# Altium PCB Gesturelink V1.PcbDoc (part 9 of 9)
Units mil, origin at the board's own origin, x right, y up, seen from the top; angles counter-clockwise.
Board outline 1574.8 x 1377.95 mil, 12 copper layers (SIG_1, GND_1, HI_SPEED_SIG_1, HI_SPEED_SIG_2, GND_2, PWR_1, PWR_2, GND_3, SIG_2, SIG_3, GND, SIG_4), stack 76.312 mil thick; 506 components, 440 nets, 2250 pads, 1330 vias.
Unrouted connection lines stored in the file: 20.
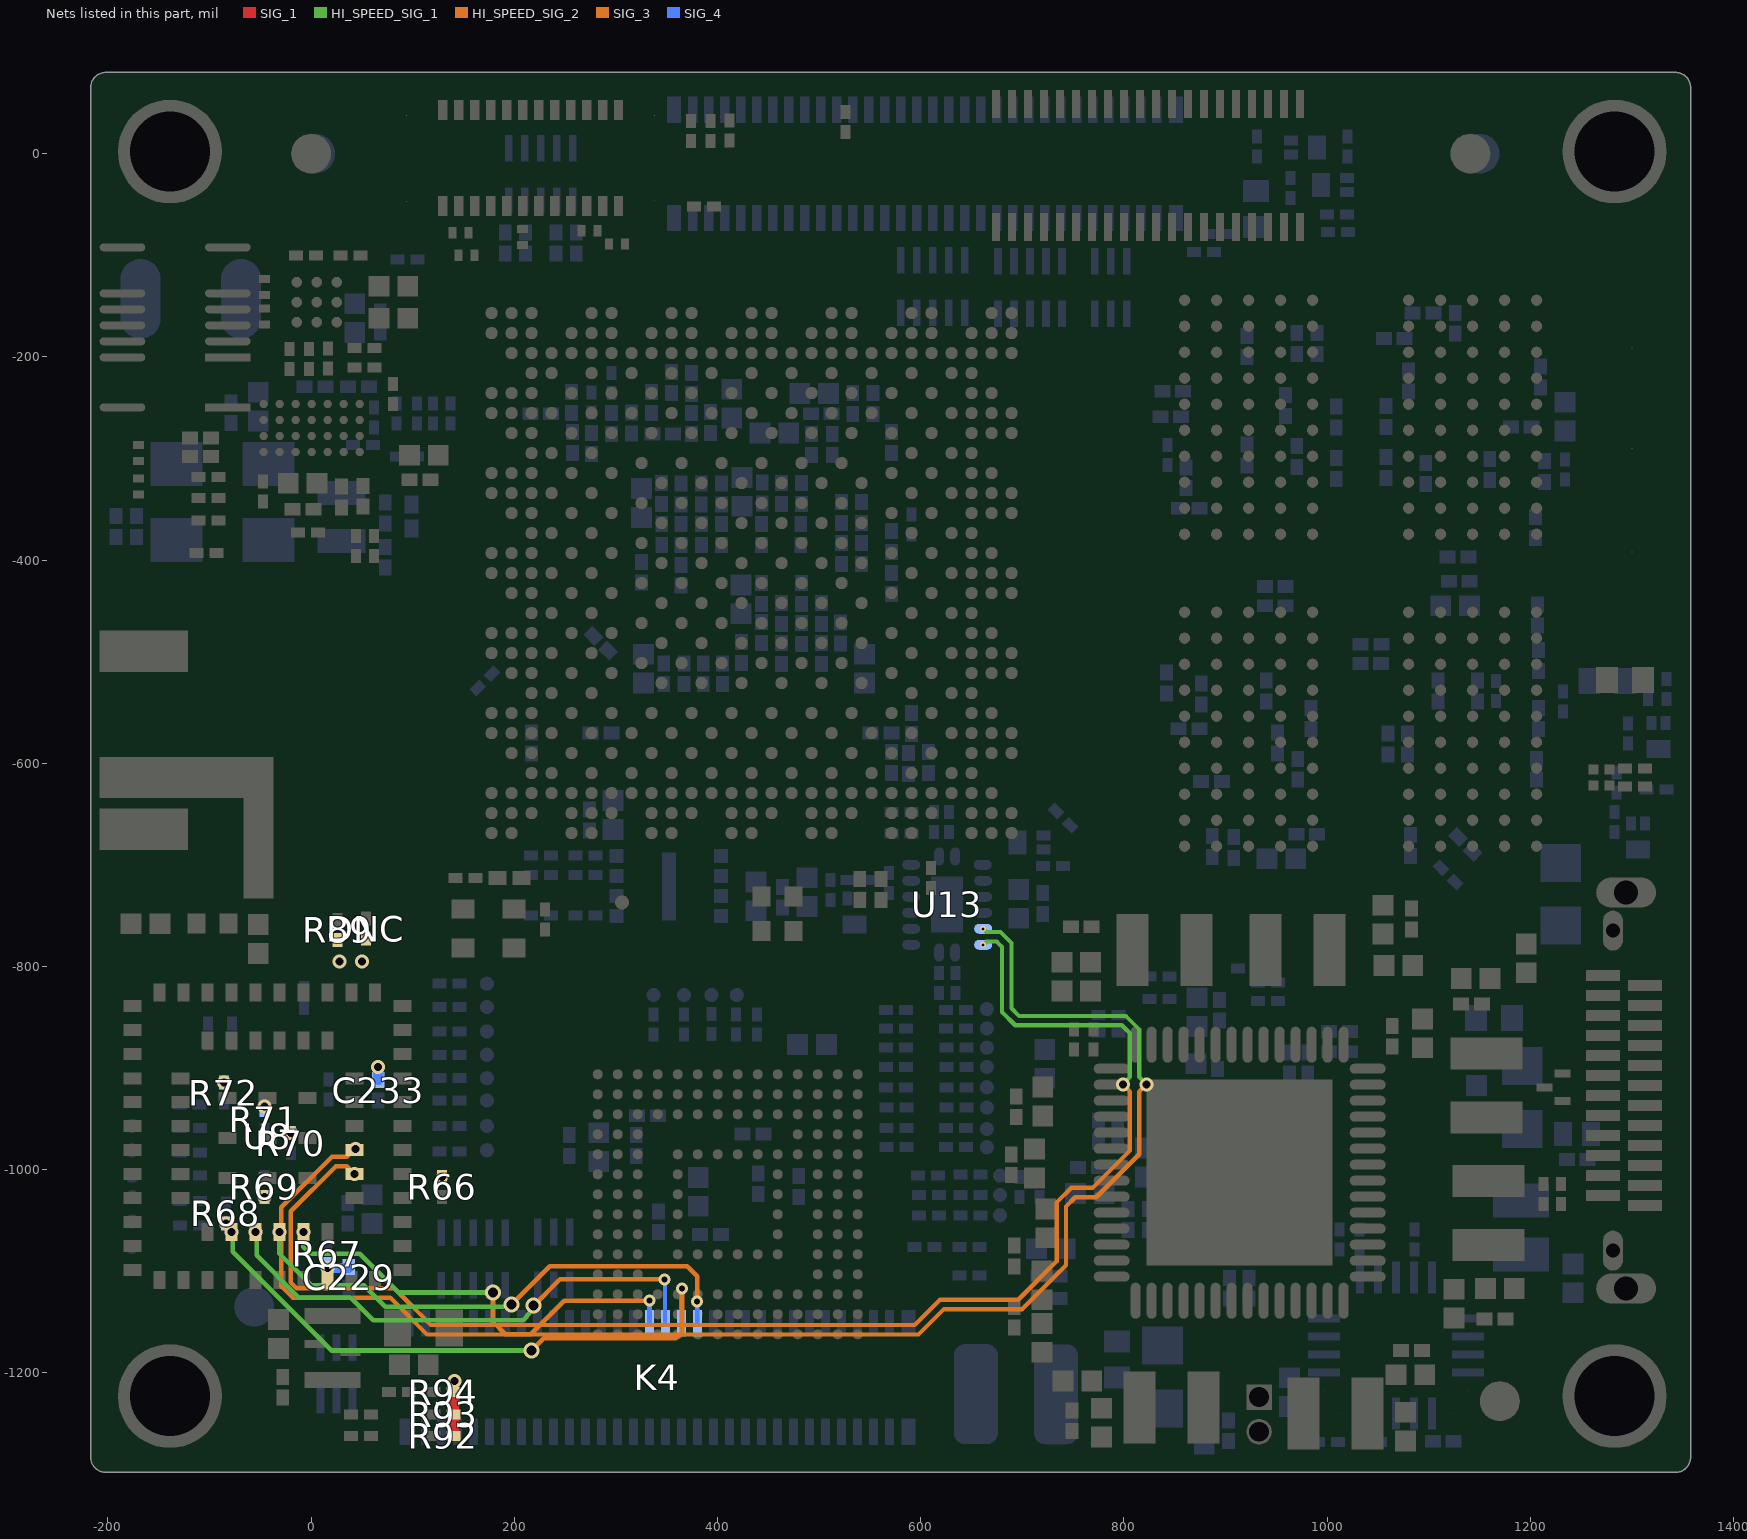
[diagram p19: the nets of this part, all layers, seen from the top]

## Nets (pads, with @x,y where several pads share a name; then routed paths per layer and width w, separated by ;. In a path a pad name is that pad's centre, name@x,y a point inside that pad or via, vN(x,y) a via of type N, cw(c..) or ccw(c..) an arc to the next point about the centre after c; other vN are vias at no path point) (continued)
WIFI_SWCLK: K4.35 U8.66 | length 521.2
  HI_SPEED_SIG_1 w4.63: v25(-31.13,-1061.57) -31.13,-1082.86 0,-1113.99 52,-1113.99 73.13,-1135.12 194.87,-1135.12 v42(197,-1132.99)
  SIG_3 w4.63: v42(197,-1132.99) 235,-1094.99 370,-1094.99 380,-1104.99 v36(380,-1129.99)
  SIG_4 w4.58: v36(380,-1129.99) 380.11,-1130.1 380.11,-1151.19 K4.35@380.22,-1151.3
WIFI_SWDIO: K4.29 U8.67 | length 443.8
  HI_SPEED_SIG_1 w4.63: v25(-7.51,-1061.57) -7.51,-1076.48 -1.2,-1082.79 47.88,-1082.79 86.09,-1120.99 v42(179,-1120.99)
  SIG_3 w4.63: v42(179,-1120.99) 179,-1149.99 191,-1161.99 216,-1161.99 249,-1128.99 v36(333,-1128.99)
  SIG_4 w4.58: K4.29@332.98,-1151.3 v36(333,-1128.99)
WIFI_TDI: K4.33 U8.64 | length 587.1
  HI_SPEED_SIG_1 w4.63: v25(-78.38,-1061.57) -77.25,-1062.71 -77.25,-1080.75 20,-1177.99 v42(217,-1177.99)
  SIG_3 w4.63: v42(217,-1177.99) 229,-1165.99 358.89,-1165.99 365,-1159.88 v36(365,-1116.99)
  SIG_4 w4.58: K4.33@364.47,-1151.3 364.74,-1151.04 364.74,-1117.26 v36(365,-1116.99)
WIFI_TDO: K4.31 U8.65 | length 513.9
  HI_SPEED_SIG_1 w4.63: v25(-54.76,-1061.57) -53.59,-1062.74 -53.59,-1084.41 -12,-1125.99 39,-1125.99 61.19,-1148.18 208.81,-1148.18 212.16,-1144.83 212.16,-1143.79 218.97,-1136.98 v42(218.97,-1133.97)
  SIG_3 w4.63: v42(218.97,-1133.97) 244.95,-1107.99 v36(348,-1107.99)
  SIG_4 w4: v36(348,-1107.99) 348.36,-1108.35 348.36,-1150.94 K4.31@348.72,-1151.3
WIFI_USB_N: U8.46 U13.6 | length 1444.5
  HI_SPEED_SIG_1 w4.25: v6(661.43,-778.72) 661.55,-778.72 664.8,-775.47 674.7,-775.47 680,-780.77 680,-844.99 693,-857.99 798,-857.99 805.88,-865.87 805.88,-908.74 799,-915.61 v47(799,-915.99)
  HI_SPEED_SIG_2 w4.3: v31(42.49,-1004.49) 42.49,-1003.99 35.14,-996.64 24.35,-996.64 -20,-1040.99 -20,-1110.99 -14.3,-1116.69 81.7,-1116.69 118,-1152.99 594,-1152.99 619,-1127.99 696,-1127.99 733.7,-1090.29 733.7,-1032.44 748.15,-1017.99 769,-1017.99 805.85,-981.14 805.85,-923.25 799,-916.4 v47(799,-915.99)
WIFI_USB_P: U8.47 U13.5 | length 1506.8
  HI_SPEED_SIG_1 w3.75: 801.83,-848.74 815.12,-862.04
  HI_SPEED_SIG_1 w4.25: v6(661.43,-762.97) 661.55,-762.97 664.8,-766.22 678.53,-766.22 689.25,-776.94 689.25,-841.16 696.83,-848.74 801.83,-848.74 ; 815.12,-862.04 815.12,-908.74 822,-915.61 v47(822,-915.99)
  HI_SPEED_SIG_2 w4.3: v31(43.49,-979.49) 42.99,-979.49 35.14,-987.34 20.5,-987.34 -29.3,-1037.14 -29.3,-1114.85 -26.58,-1117.57 -18.16,-1125.99 77.84,-1125.99 114.15,-1162.29 597.85,-1162.29 622.85,-1137.29 699.85,-1137.29 743,-1094.15 743,-1036.29 752,-1027.29 772.85,-1027.29 815.15,-985 815.15,-923.25 822,-916.4 v47(822,-915.99)
WIFI_VDDIO: C229.2 C233.2 DNC.1 R66.1 R67.1 R68.2 R69.2 R70.2 R71.2 R72.2 R89.1 R92.1 R93.1 R94.1 U8.42 | length 89.6
  SIG_1 w4.58: R92.1@140,-1261.99 140.84,-1261.99 R92.1@141,-1261.99
  SIG_1 w10: R93.1@140.76,-1241.09 140.76,-1261.91 R92.1@140.84,-1261.99 ; R93.1@140.92,-1240.93 R94.1@140.92,-1219.08 ; R94.1@141,-1219 v17(141,-1208.2)
  SIG_4 w4.58: C229.2@37,-1096.99 C229.2@37,-1095.76
  SIG_4 w10: v2(16,-1096.99) C229.2@37,-1096.99 ; C233.2@66,-911.76 v2(66,-898.99)
  other v2: 28.04,-794.95 50,-794.99
  other v24: -84,-1052.83 -45.98,-1026.83 -20,-964.15 -45.8,-937.99 -86,-914.31
  other v71: 129,-1007.15
pads on no net: ANT1.2 FD1.5 FD2.5 FD3.5 FD4.5 FD5.5 FD6.5 K3.2 K3.4 K3.6 K3.8 K3.10 K5.3 K5.5 K6.3 K6.\ K7.A2 K7.A3 K7.A8 K7.A10 K7.A11 K7.B2 K7.B3 K7.B8 K7.B10 K7.B11 R132.1 U1.A6 U1.A7 U1.A10 U1.A11 U1.AA9 U1.AA21 U1.AA23 U1.AB24 U1.AC7 U1.AC13 U1.AC21 U1.AC23 U1.AD20 U1.AE17 U1.AE20 U1.AF1 U1.AF21 U1.AF26 U1.AG21 U1.AG26 U1.B1 U1.B2 U1.B5 U1.B6 U1.B7 U1.B10 U1.B27 U1.C2 U1.C3 U1.C5 U1.D3 U1.E1 U1.E2 U1.E3 U1.F1 U1.F2 U1.F10 U1.G13 U1.J5 U1.K6 U1.P6 U1.R3 U1.U5 U1.V2 U1.V4 U1.W7 U1.W21 U1.W23 U1.Y22 U2.A1 U2.A2 U2.A11 U2.A12 U2.AA1 U2.AA12 U2.AB1 U2.AB2 U2.AB11 U2.AB12 U2.B1 U2.B12 U2.G11 U2.K5 U2.K8 U2.N5 U2.N8 U6.2 U6.5 U6.14 U6.21 U6.23 U6.24 U7.A1 U7.A2 U7.A7 U7.A8 U7.A9 U7.A10 U7.A11 U7.A12 U7.A13 U7.A14 U7.B1 U7.B7 U7.B8 U7.B9 U7.B10 U7.B11 U7.B12 U7.B13 U7.B14 U7.C1 U7.C3 U7.C5 U7.C7 U7.C8 U7.C9 U7.C10 U7.C11 U7.C12 U7.C13 U7.C14 U7.D1 U7.D2 U7.D3 U7.D4 U7.D5 U7.D12 U7.D13 U7.D14 U7.E1 U7.E2 U7.E3 U7.E5 U7.E8 U7.E9 U7.E10 U7.E12 U7.E13 U7.E14 U7.F1 U7.F2 U7.F3 U7.F10 U7.F12 U7.F13 U7.F14 U7.G1 U7.G2 U7.G3 U7.G10 U7.G12 U7.G13 U7.G14 U7.H1 U7.H2 U7.H3 U7.H12 U7.H13 U7.H14 U7.J1 U7.J2 U7.J3 U7.J12 U7.J13 U7.J14 U7.K1 U7.K2 U7.K3 U7.K6 U7.K7 U7.K10 U7.K12 U7.K13 U7.K14 U7.L1 U7.L2 U7.L3 U7.L12 U7.L13 U7.L14 U7.M1 U7.M2 U7.M3 U7.M7 U7.M8 U7.M9 U7.M10 U7.M11 U7.M12 U7.M13 U7.M14 U7.N1 U7.N3 U7.N6 U7.N7 U7.N8 U7.N9 U7.N10 U7.N11 U7.N12 U7.N13 U7.N14 U7.P1 U7.P2 U7.P7 U7.P8 U7.P9 U7.P10 U7.P11 U7.P12 U7.P13 U7.P14 U8.15 U8.18 U8.25 U8.26 U8.35 U8.36 U8.37 U8.38 U8.39 U8.40 U8.44 U8.58 U8.59 U8.60 U8.61 U8.62 U10.A2 U10.B4 U10.C4 U10.D4 U10.D5 U12.1 U12.3 U12.6 U12.9 U13.1 U13.2 U13.13 U13.14 U13.15 U13.16 U20.9 U20.22 U20.23 U20.25 Y3.1 Y4.1
copper on no net: | length 11.4
  SIG_1 w4.58: -54.76,-825.75 -54.38,-826.13 -54.38,-836.41 -54,-836.79
  other v1: 275.99,-314.41

## Polygon pours and split planes (outlines as drawn)
VDDQDDR_1V1 on PWR_1 "VDDQDDR_1V1_L06_P056" (solid, pour order 56): 1243.03,-785.99 1246.56,-782.46 1258,-766.99 1258,-688.99 1240,-670.99 1204,-670.99 1195,-679.99
USB_VIN on PWR_1 "SS" (solid, pour order 61): 1225,-1111.99 1225,-697.49 1321.5,-697.49 1348,-670.99 1348,-1017.99 1300,-1065.99 1268,-1065.99 1259,-1074.99 1259,-1107.99 1242,-1124.99 1241,-1123.99 1232,-1123.99 1232,-1118.99
SYS_1V8 on PWR_1 "SYS_1V8_L06_P093" (solid, remove dead copper, pour order 93): 713.84,-995.69 713.84,-931.69 673.84,-891.69 673.84,-791.23 604.84,-722.23 604.84,-712.69 446.84,-712.69 434.84,-724.69 377.84,-724.69 377.84,-738.69 316.84,-799.69 102.84,-799.69 87.84,-784.69 62.84,-784.69 62.84,-751.15 70,-743.99 93.84,-743.99 111.84,-725.99 111.84,-481.3 72.53,-441.99 12.14,-441.99 -35.16,-394.69 -88.16,-394.69 -88.16,-227.69 -20.47,-159.99 162.14,-159.99 207.84,-205.69 207.84,-243.69 234.84,-270.69 257.43,-270.69 281.43,-246.69 344.4,-246.69 347.64,-249.92 347.64,-518.49 433.96,-604.81 622.96,-604.81 945.84,-927.69 987.84,-927.69 966.84,-948.69 966.84,-1010.69
MIC_VDD on PWR_1 "NONET_L07_P-001" (solid, pour order 92): -31,-357.49 -31.5,-357.99 -66,-357.99 -102,-321.99 -102,-287.49 -158.5,-230.99 -186,-230.99 -199,-217.99 -199,-149.99 -176,-126.99 -99,-126.99 -74,-151.99 -74,-214.99 -87,-227.99 -87,-266.99 -54,-299.99 -18,-299.99 -1,-316.99
MIC_VDD on PWR_1 "NONET_L07_P-001" (solid, remove dead copper, pour order 87): -31,-333.99 -39,-325.99 -39,-307.99 -31,-299.99 35,-299.99 76,-340.99 76,-379.99 69,-386.99 41,-386.99 31,-376.99 31,-358.99 20,-347.99 2,-347.99 -6,-355.99 -6,-362.99 -10,-366.99 -23,-366.99 -31,-358.99 -31,-355.99
SDMMC2_3V3 on PWR_1 "NONET_L07_P-001" (solid, pour order 84): 458.64,-748.99 456,-751.63 456,-769.99 556,-869.99 556,-918.74 541.75,-932.99 477,-932.99 473,-936.99 473,-1079.99 438,-1114.99 341,-1114.99 326,-1099.99 326,-1050.09 421,-955.09 420,-954.09 420,-872.99 428,-864.99 442,-864.99 452,-854.99 452,-837.99 445,-830.99 428,-830.99 420,-822.99 421,-821.99 421,-735.99 445,-711.99 460,-711.99
VDD_EMMC on PWR_1 "NONET_L07_P-001" (solid, pour order 83): 420,-822.99 428,-830.99 445,-830.99 452,-837.99 452,-854.99 442,-864.99 428,-864.99 412,-880.99 384,-880.99 373,-869.99 376,-866.99 376,-808.99 413,-808.99 416,-811.99
VDD_EMMC on PWR_1 "VDD_EMMC_L06_P078" (solid, pour order 78): 521,-932.99 562.5,-932.99 575.26,-945.75 575.26,-988.74 565,-998.99 564,-997.99 521,-997.99
VDD_EMMC on PWR_1 "VDD_EMMC_L06_P033" (solid, pour order 33): 433,-723.99 376,-723.99 376,-737.99 315,-798.99 253,-798.99 240,-811.99 240,-985.99 251,-996.99 275,-996.99 288.37,-1010.36 288.37,-1113.36 330,-1154.99 478,-1154.99 525,-1107.99 525,-936.99 473,-936.99 473,-1079.99 438,-1114.99 341,-1114.99 326,-1099.99 326,-1053.99 421,-958.99 421,-735.99
SYS_1V8 on PWR_1 "SYS_1V8_L06_P058" (solid, pour order 58): 166.79,-1154.99 166.79,-1026.78 125.45,-985.44 125.45,-790.55 128,-787.99 240,-787.99 240,-985.99 251,-996.99 275,-996.99 288.37,-1010.36 288.37,-1113.36 326.21,-1151.2 319,-1158.42 319,-1178.99 190,-1178.99 178,-1190.99
SYS_1V8 on PWR_1 "SYS_1V8_L06_P079" (solid, pour order 79): 599,-105.99 562,-142.99 562,-236.99 553,-245.99 504.96,-245.99 501.77,-249.18 444,-191.4 444,-183.99 227,-183.99 206,-204.99 203,-204.99 194,-213.99 194,-139.99 249,-139.99 286.63,-102.36 575.63,-102.36 596,-81.99
USB_VIN on PWR_1 "USB_VIN_L06_P040" (solid, pour order 40): 976.5,40.51 956,20.01 858,20.01 812,66.01 754,66.01 754,-97.99 792,-138.99 1156,-138.99
SYS_1V8 on PWR_1 "SYS_1V8_L06_P057" (solid, pour order 57): -32.78,-172.3 0.53,-138.99 81,-138.99 119,-100.99 119,32.01 145,58.01 707,58.01 713,52.01 713,-20.99 701,-32.99 672,-32.99 599,-105.99 299,-105.99 299,-126.99 283,-142.99 221,-142.99 202.21,-161.78 202.21,-204.99
SDMMC2_1V8 on PWR_1 "SDMMC2_1V8_L06_P029" (solid, pour order 29): 691,-1199.99 565,-1199.99 565,-856.99 543,-856.99 456,-769.99 456,-756.99 464,-748.99 534,-748.99 608.08,-823.07 608.08,-1134.07 618,-1143.99 685,-1143.99 695,-1153.99 695,-1195.99
SYS_1V8 on PWR_1 "SYS_1V8_L06_P053" (solid, pour order 53): 694,-1209.99 702,-1201.99 702,-1004.99 712,-994.99 918,-994.99 986,-926.99 987,-927.99 1164,-927.99 1164,-1132.99 1138,-1158.99 1014,-1282.99 694,-1282.99
SDMMC2_1V8 on PWR_1 "SDMMC2_1V8_L06_P052" (solid, pour order 52): 695,-1182.94 695,-1008.99 674,-987.99 617.5,-987.99 565,-935.49 565,-1090.99 618,-1143.99 656.05,-1143.99
WIFI_VDDIO on PWR_1 "WIFI_VDDIO_L06_P042" (solid, pour order 42): -65,-1096.99 -65,-1128.99 -55,-1138.99 -1,-1138.99 -1,-1167.99 66,-1167.99 108,-1209.99 130.21,-1209.99 137,-1216.78 138.11,-1215.67 155.68,-1215.67 163,-1208.35 163,-1022.99 122,-981.99 103,-981.99 81,-1003.99 -13,-1003.99 -21,-1011.99
USB_VIN on PWR_1 "USB_VIN_L06_P039" (solid, pour order 39): 970,59.01 975,64.01 1177,64.01 1208,33.01 1208,-35.99 1242,-69.99 1311,-69.99 1348,-106.99 1348,-678.99 1316,-710.99 1280,-710.99 1253,-683.99 1253,-138.99 1116,-138.99 970,7.01
SDMMC2_3V3 on PWR_1 "SDMMC2_3V3_L06_P030" (solid, pour order 30): 704,-988.99 618.5,-988.99 601,-971.49 601,-815.99 534,-748.99 449,-748.99 449,-722.99 460,-711.99 603,-711.99 672,-780.99 672,-890.99 704,-922.99
SYS_1V8 on PWR_1 "SYS_1V8_L06_P027" (solid, pour order 27): 506.24,-1282.99 127,-1282.99 123,-1286.99 -21,-1286.99 cw(c-21,-1252.99) -55,-1252.99 -55,-1138.99 -1,-1138.99 -1,-1154.99 502.78,-1154.99
VDD_SOC_0V8 on PWR_1 "VDD_SOC_0V8_L06_P026" (solid, remove dead copper, pour order 26): 1164,-927.99 942,-927.99 620,-605.99 434,-605.99 345,-516.99 345,-245.99 277,-245.99 277,-248.58 255.59,-269.99 233,-269.99 206,-242.99 206,-204.99 227,-183.99 444,-183.99 537,-276.99 537,-328.99 513,-352.99 513,-455.2 585.79,-527.99 768.64,-527.99 840,-599.35 840,-668.99 915,-743.99 1077,-743.99 1142,-808.99
WIFI_VDDIO on PWR_1 "WIFI_VDDIO_L06_P005" (solid, pour order 5): 2,-888.99 -18,-908.99 -160,-908.99 -173,-921.99 -173,-1083.99 -160,-1096.99 -65,-1096.99 -21,-1052.99 -21,-1011.99 -13,-1003.99 72,-1003.99 125,-1056.99 125,-1200.99 137,-1212.99 153,-1212.99 163,-1202.99 163,-1022.99 122,-981.99 103,-981.99 86,-964.99 86,-783.99 2,-783.99
VDDQDDR_1V1 on PWR_1 "VDDQDDR_1V1_L06_P009" (solid, pour order 9): 804.5,-144.49 665.5,-144.49 563,-246.99 542,-267.99 542,-323.99 512,-353.99 512,-372.99 513,-373.99 513,-463.99 513,-529.99 806,-529.99 806,-207.99
VDD_SOC_0V8 on PWR_1 "VDD_SOC_0V8_L06_P012" (solid, pour order 12): 1127,-793.99 1127,-743.99 915,-743.99 840,-668.99 840,-590.99 777,-527.99 509,-527.99 509,-350.99 537,-322.99 537,-276.99 526,-265.99 470,-265.99 422,-313.99 393,-313.99 397,-431.99 363,-412.99 415,-464.99 415,-512.99 432,-529.99 472,-529.99 548,-605.99 564.54,-605.99 561,-602.46 561,-570.32 593.32,-570.32 626,-602.99 626,-603.99 834,-811.99 1127,-890.99
VDDQDDR_1V1 on PWR_1 "VDDQDDR_1V1_L06_P006" (solid, pour order 6): 1246.58,-785.99 1133,-785.99 1133,-738.99 917,-738.99 845,-666.99 845,-598.99 690,-443.99 690,-258.99 805,-143.99 1243,-143.99 1245,-145.99 1245,-613.99
VDD_SOC_0V8 on PWR_1 "VDD_SOC_0V8_L06_P003" (solid, pour order 3): 1001,-1281.99 1001,-1244.99 1087,-1158.99 1138,-1158.99 1164,-1132.99 1164,-927.99 1127,-890.99 1127,-789.99 1221,-789.99 1221,-1156.99 1096,-1281.99 1064,-1281.99
GND on GND_1 "GND_L02_P045" (solid, remove dead copper, pour order 45): -227.84,-1239.96 -227.84,107.99 cw(c-212.84,107.99) -212.84,122.99 1331.96,122.99 cw(c1331.96,107.99) 1346.96,107.99 1346.96,-1239.96 cw(c1331.96,-1239.96) 1331.96,-1254.96 -212.84,-1254.96 cw(c-212.84,-1239.96)
GND on SIG_3 "GND_L10_P100" (solid, remove dead copper, pour order 100): -217,-1282.99 -217,64.96 cw(c-202,64.96) -202,79.96 1342.8,79.96 cw(c1342.8,64.96) 1357.8,64.96 1357.8,-1282.99 cw(c1342.8,-1282.99) 1342.8,-1297.99 -202,-1297.99 cw(c-202,-1282.99)
VUSB on SIG_4 "NONET_L07_P-001" (solid, pour order 120): 1134,-907.99 1134,-996.99 1244,-996.99 1244,-952.99 1212,-952.99 1212,-936.99 1159,-936.99 1159,-907.99
USB_VIN on SIG_4 "NONET_L07_P-001" (solid, pour order 119): 1173,-914.99 1176,-911.99 1176,-826.99 1270,-826.99 1270,-876.99 1212,-876.99 1212,-913.99 1209,-913.99
NetD1_1 on SIG_4 "NONET_L07_P-001" (solid, pour order 94): 1209,-819.99 1287,-819.99 1287,-945.99 1251,-945.99 1251,-979.99 1337,-979.99 1337,-796.99 1250,-796.99 1250,-739.99 1209,-739.99 1209,-761.99
GND on SIG_4 "GND_L12_P118" (solid, pour order 118): -217,-1282.99 -217,64.96 cw(c-202,64.96) -202,79.96 1342.8,79.96 cw(c1342.8,64.96) 1357.8,64.96 1357.8,-1282.99 cw(c1342.8,-1282.99) 1342.8,-1297.99 -202,-1297.99 cw(c-202,-1282.99)
BAT_PACK_IN on SIG_4 "NONET_L07_P-001" (solid, pour order 117): 1206,-707.99 1206,-655.99 1230,-631.99 1230,-573.99 1244,-559.99 1244,-515.99 1230,-501.99 1230,-369.99 1263,-336.99 1324,-336.99 1348,-360.99 1348,-426.99 1340,-434.99 1320,-434.99 1274,-480.99 1274,-626.99 1251,-649.99 1251,-706.99 1250,-707.99
GND on HI_SPEED_SIG_1 "GND_L03_P097" (solid, remove dead copper, pour order 97): -217,-1282.99 -217,64.96 cw(c-202,64.96) -202,79.96 1342.8,79.96 cw(c1342.8,64.96) 1357.8,64.96 1357.8,-1282.99 cw(c1342.8,-1282.99) 1342.8,-1297.99 -202,-1297.99 cw(c-202,-1282.99)
GND on GND "GND_L11_P044" (solid, remove dead copper, pour order 44): -217,-1282.99 -217,64.96 cw(c-202,64.96) -202,79.96 1342.8,79.96 cw(c1342.8,64.96) 1357.8,64.96 1357.8,-1282.99 cw(c1342.8,-1282.99) 1342.8,-1297.99 -202,-1297.99 cw(c-202,-1282.99)
SYS_3V3 on PWR_2 "NONET_L07_P-001" (solid, pour order 116): 789,-251.99 788,-250.99 788,-222.99 907,-103.99 939,-103.99 939,-79.99 931.41,-72.4 797.59,-72.4 756,-113.99 757,-114.99 757,-277.99
LIPO_IN_CHARGER on PWR_2 "NONET_L07_P-001" (solid, pour order 66): 832,-1048.76 832,-1039.99 799,-1039.99 799,-956.99 849,-956.99 849,-1048.99 847,-1048.99
SYS_3V3 on PWR_2 "SYS_3V3_L07_P110" (solid, remove dead copper, pour order 110): 752.3,-732.19 666.77,-817.73 670.32,-1062.93 699,-1091.61 699,-1131.49 688,-1142.49 191,-1142.49 104.03,-1055.52 104.03,-748.02 102.5,-746.49 0,-746.49 -7,-753.49 -7,-798.49 -25,-816.49 -125,-816.49 -181,-872.49 -181,-1090.49 -151,-1120.49 -42,-1229.49 9,-1280.49 992,-1280.49 1146,-1126.49 1123.98,-1104.47 920,-900.49 920,-806.74 845.45,-732.19
LIPO_IN_CHARGER on PWR_2 "NONET_L07_P-001" (solid, pour order 68): 832,-1091.53 832,-1005.99 884,-1005.99 884,-1092.53
VUSB on PWR_2 "NONET_L07_P-001" (solid, pour order 69): 1085,-1204.99 1085,-1121.99 1132,-1121.99 1132,-937.99 1165.17,-937.99 1165.17,-899.57 1217,-899.57 1217,-1204.99
LIPO_IN_CHARGER on PWR_2 "NONET_L07_P-001" (solid, pour order 70): 921.97,-1244.41 921.97,-1188.57 882.03,-1188.57 882.03,-1150.17 970,-1150.17 970,-1207.99 1070,-1207.99 1070,-1139.99 1021,-1139.99 1021,-1083.99 832,-1083.99 832,-1244.41
3V3_IMU on PWR_2 "NONET_L07_P-001" (solid, pour order 71): 667,-1046.99 667,-805.99 667,-400.99 701,-366.99 701,-201.99 701,-126.99 835,7.01 892,7.01 913,-13.99 912,-14.99 912,-50.99 896,-66.99 803,-66.99 756,-113.99 756,-676.99 702,-730.99 702,-812.99 720,-830.99 720,-1046.99
VBACKUP on PWR_2 "NONET_L07_P-001" (solid, pour order 72): -88,-143.99 -88,-179.99 -80,-187.99 170,-187.99 247.53,-265.52 247.53,-491.24 261.37,-505.08 289.89,-505.08 297,-497.97 297,-252.19 184.8,-139.99 -83,-139.99 -89,-140.99
VPP_DDR_1V8 on PWR_2 "VPP_DDR_1V8_L07_P073" (solid, pour order 73): 1058,-864.99 1004,-810.99 885.8,-810.99 807,-732.19 807,-216.99 904,-119.99 1188,-119.99 1253,-184.99 1253,-733.99 1105,-881.99 1075,-881.99
SYS_3V3 on PWR_2 "SYS_3V3_L07_P077" (solid, pour order 77): 802.21,-801.99 1185,-801.99 1253,-733.99 1253,-478.99 1350,-478.99 1350,-922.99 1145,-1127.99 1113.78,-1159.21
VDD_EMMC on PWR_2 "VDD_EMMC_L07_P104" (solid, pour order 104): 374,-696.99 460.53,-610.46 460.53,-233.11 467.65,-225.99 519,-225.99 526,-232.99 526,-601.99 455,-672.99 439,-672.99 409,-702.99 409,-777.99 397,-789.99 388,-789.99 374,-775.99 374,-766.99
1V2_CODEC on PWR_2 "1V2_CODEC_L07_P105" (solid, remove dead copper, pour order 105): 602,-1091.99 598,-1095.99 241,-1095.99 197,-1051.99 197,-622.99 168,-593.99 168,-487.99 172,-483.99 172,-281.99 106,-281.99 106,-1067.99 176,-1137.99 614,-1137.99 693,-1137.99 699,-1131.99 699,-1095.99 695,-1091.99
1V2_CODEC on PWR_2 "1V2_CODEC_L07_P109" (solid, pour order 109): 172,-281.99 146,-255.99 77,-255.99 54,-278.99 54,-321.99 69,-336.99 95,-336.99 111,-320.99 172,-320.99
SYS_3V3 on PWR_2 "SYS_3V3_L07_P112" (solid, pour order 112): 690.12,-1091.99 602,-1091.99 598,-1095.99 190,-1095.99 190,-667.82 537.81,-697.8 688,-847.99 688,-1022.76 696.23,-1022.76 746.19,-972.8
SYS_3V3 on PWR_2 "SYS_3V3_L07_P111" (solid, remove dead copper, pour order 111): 667,-840.99 667,-826.99 646,-805.99 461,-805.99 409,-753.99 409,-702.99 439,-672.99 455,-672.99 526,-601.99 526,-232.99 519,-225.99 497,-225.99 482.68,-240.31 482.68,-588.31 374,-696.99 272,-696.99 168,-592.99 168,-495.99 179,-484.99 179,-332.99 159,-268.99 116,-255.99 77,-255.99 54,-278.99 54,-321.99 69,-336.99 95,-336.99 111,-320.99 113,-320.99 125,-332.99 125,-406.99 97,-434.99 44,-434.99 11,-401.99 -197,-401.99 -209,-389.99 -209,-201.99 52,59.01 162,59.01 732,59.01 812,-20.99 812,-761.99
SYS_3V3 on PWR_2 "SYS_3V3_L07_P115" (solid, pour order 115): 272,-696.99 231,-737.99 231,-773.99 224,-780.99 206,-780.99 198,-772.99 199,-771.99 199,-619.99 202,-616.99 226,-640.99 241,-640.99
SYS_3V3 on PWR_2 "SYS_3V3_L07_P114" (solid, pour order 114): 721,50.01 977,50.01 1038,50.01 1049,39.01 1049,-103.99 766,-103.99 766,5.01
GND on SIG_2 "GND_L09_P099" (solid, remove dead copper, pour order 99): -217,-1282.99 -217,64.96 cw(c-202,64.96) -202,79.96 1342.8,79.96 cw(c1342.8,64.96) 1357.8,64.96 1357.8,-1282.99 cw(c1342.8,-1282.99) 1342.8,-1297.99 -202,-1297.99 cw(c-202,-1282.99)
GND on HI_SPEED_SIG_2 "GND_L04_P098" (solid, remove dead copper, pour order 98): -217,-1282.99 -217,64.96 cw(c-202,64.96) -202,79.96 1342.8,79.96 cw(c1342.8,64.96) 1357.8,64.96 1357.8,-1282.99 cw(c1342.8,-1282.99) 1342.8,-1297.99 -202,-1297.99 cw(c-202,-1282.99)
GND on GND_2 "GND_L05_P101" (solid, remove dead copper, pour order 101): -217,-1282.99 -217,64.96 cw(c-202,64.96) -202,79.96 1342.8,79.96 cw(c1342.8,64.96) 1357.8,64.96 1357.8,-1282.99 cw(c1342.8,-1282.99) 1342.8,-1297.99 -202,-1297.99 cw(c-202,-1282.99)
GND on GND_3 "GND_L08_P102" (solid, remove dead copper, pour order 102): -217,-1282.99 -217,64.96 cw(c-202,64.96) -202,79.96 1342.8,79.96 cw(c1342.8,64.96) 1357.8,64.96 1357.8,-1282.99 cw(c1342.8,-1282.99) 1342.8,-1297.99 -202,-1297.99 cw(c-202,-1282.99)
GND on SIG_1 "GND_L01_P096" (solid, remove dead copper, pour order 96): -191.9,-1296.71 -191.9,51.24 cw(c-176.9,51.24) -176.9,66.24 1367.91,66.24 cw(c1367.91,51.24) 1382.91,51.24 1382.91,-1296.71 cw(c1367.91,-1296.71) 1367.91,-1311.71 -176.9,-1311.71 cw(c-176.9,-1296.71)

## Other copper
SIG_1:
  pour cut-out: -217.25,65.97 cw(c-202.25,65.97) -202.25,80.97 1344.75,80.97 cw(c1344.75,65.97) 1359.75,65.97 1359.75,-1281.03 cw(c1344.75,-1281.03) 1344.75,-1296.03 -202.25,-1296.03 cw(c-202.25,-1281.03) -217.25,-1281.03 -217.25,65.97 -203.43,65.97 cw(c-192.25,55.97) -192.25,70.97 1334.75,70.97 cw(c1334.75,55.97) 1349.75,55.97 1349.75,-1271.03 cw(c1334.75,-1271.03) 1334.75,-1286.03 -192.25,-1286.03 cw(c-192.25,-1271.03) -207.25,-1271.03 -207.25,55.97
  pour cut-out: -217.25,65.97 -203.43,65.97 ccw(c-203.43,62.15) -207.25,62.15 -207.25,55.97
  region net GND: 390.52,-468.79 390.52,-489.79 378.52,-489.79 378.52,-468.79
  region net GND: 351.15,-468.79 351.15,-489.79 339.15,-489.79 339.15,-468.79
  region net GND: 429.89,-468.79 429.89,-483.99 417.89,-483.99 417.89,-468.79
  region net GND: 396,-468.99 547.48,-468.99 547.48,-453.99 396,-453.99
  region net GND: 320,-415.99 397,-415.99 397,-396.99 416,-396.99 416,-377.99 510,-377.99 510,-409.99 496.63,-409.99 496.63,-391.99 469,-391.99 469,-409.99 457.26,-409.99 457.26,-391.99 432,-391.99 432,-409.99 410,-409.99 410,-468.99 320,-468.99
  region net GND: 508.63,-468.79 508.63,-489.79 496.63,-489.79 496.63,-468.79
  region net GND: 469.26,-468.79 469.26,-489.79 457.26,-489.79 457.26,-468.79
  region net GND: 547.48,-468.79 547.48,-505.99 536,-505.99 536,-468.79
  region net GND: 535.48,-455.31 535.48,-434.31 547.48,-434.31 547.48,-455.31
  region net GND: 319,-330.99 319,-298.99 548,-298.99 548,-330.99
  region net GND: 508.04,-330.45 508.04,-349.99 496.04,-349.99 496.04,-330.45
  region net GND: 548,-330.99 548,-349.99 536,-349.99 536,-330.99
  region net VDDQDDR_1V1: 516,-474.99 529,-474.99 529,-511.49 546,-511.49 546,-526.99 516,-526.99
  region net VDDQDDR_1V1: 530,-335.99 530,-355.99 546,-355.99 546,-409.99 533,-409.99 533,-391.99 516,-391.99 516,-335.99
  region net VDDQDDR_1V1: 564,-384.99 583,-384.99 583,-365.99 599,-365.99 599,-402.99 578,-402.99 578,-459.99 564,-459.99
  region net VDDQDDR_1V1: 962,-890.55 962,-809.99 984,-809.99 984,-747.99 1030,-747.99 1030,-833.99 976,-833.99 976,-893.66
  region net VDDQDDR_1V1: 975,-851.99 987,-851.99 987,-833.99 975,-833.99
  region net VDDQDDR_1V1: 1046,-757.99 1030,-757.99 1030,-776.99 1046,-776.99 1046,-783.49
  region net VDDQDDR_1V1: 1066,-809.99 1028,-809.99 1028,-757.99 1091,-757.99 1091,-777.99 1066,-777.99 1066,-808.99
  region net VDDQDDR_1V1: 1091,-777.99 1175,-777.99 1175,-757.99 1257,-757.99 1257,-709.99 1122,-709.99 1122,-757.99 1091,-757.99
  region net VDDQDDR_1V1: 1213,-757.99 1213,-780.99 1257,-780.99 1257,-757.99
  region net SYS_1V8: 1025.4,-1005.99 1096,-1005.99 1096,-1046.99 1196,-1046.99 1196,-1092.99 1167,-1092.99 1167,-1128.99 1108,-1128.99 1108,-1156.99 1081,-1156.99 1081,-1014.99 1023,-1014.99 1023,-1011.99
  region net SYS_1V8: 843.02,-1128.99 847,-1128.99 847,-1277.99 798,-1277.99 798,-1240.99 743,-1240.99 743,-1222.99 760,-1222.99 760,-1184.99 839,-1184.99 839,-1143.64
  region net NetL4_1: 879,-1119.99 879,-1195.99 895,-1195.99 895,-1278.99 859,-1278.99 859,-1158.99 869,-1158.99 869,-1140.99
  region net SYS_3V3: 332,-493.99 358,-493.99 358,-473.99 371,-473.99 371,-493.99 396,-493.99 396,-472.99 411,-472.99 411,-509.99 392,-509.99 392,-526.99 376,-526.99 376,-509.99 352,-509.99 352,-526.99 320,-526.99 320,-473.99 332,-473.99
  region net SYS_3V3: 784,-746.99 762,-746.99 762,-774.99 784,-774.99
  region net VDD_SOC_0V8: 1011,-1138.99 1011,-1279.99 1049,-1279.99 1049,-1244.99 1087,-1244.99 1087,-1219.99 1080,-1219.99 1080,-1164.99 1021,-1164.99 1021,-1138.99
  region net USB_VIN: 1267.73,-862.99 1243,-862.99 1243,-826.36 1212,-826.36 1212,-880.99 1242,-880.99 1242,-872.99 1265,-872.99
  region net MPU_VIN: 886,-1137.99 886,-1179.99 974,-1179.99 974,-1111.99 964,-1111.99 964,-1152.99 896,-1152.99 896,-1121.99
  region net SYS_3V3: 864,-870.99 864,-827.99 831,-827.99 831,-746.99 784,-746.99 784,-842.99 854,-842.99 854,-871.99
  region net SYS_3V3: 784,-774.99 717,-774.99 703,-774.99 703,-840.99 719,-840.99 719,-805.99 785,-805.99 785,-797.99
  region net 3V3_IMU: 798,-989.99 728,-989.99 728,-998.99 669,-998.99 669,-1049.99 708,-1049.99 708,-1017.99 740,-1017.99 740,-1000.99 776,-1000.99
  region net VDD_EMMC: 448,-723.99 382,-723.99 382,-773.99 448,-773.99
  region net VPP_DDR_1V8: 995,-886.24 995,-842.99 1056,-842.99 1056,-824.99 1110,-824.99 1110,-863.99 1056,-863.99 1056,-854.99 1005,-854.99 1005,-889.99
  region net VDD_SOC_0V8: 320,-335.99 491,-335.99 491,-355.99 511,-355.99 511,-370.99 410,-370.99 410,-390.99 395,-390.99 389,-390.99 389,-396.99 389,-409.99 337,-409.99 337,-393.99 354,-393.99 354,-371.99 320,-371.99
  region net VDD_SOC_0V8: 446,-266.99 505,-266.99 505,-247.99 520,-247.99 520,-280.99 446,-280.99
  region net VDD_SOC_0V8: 417.89,-527.99 417.89,-493.99 437,-493.99 437,-473.99 451,-473.99 451,-493.99 476,-493.99 476,-473.99 491,-473.99 491,-493.99 508.63,-493.99 508.63,-527.99
  region net VDD_SOC_0V8: 416,-414.99 436,-414.99 436,-394.99 451,-394.99 451,-414.99 475,-414.99 475,-394.99 491,-394.99 491,-413.99 510,-413.99 510,-450.99 494,-450.99 494,-431.99 471,-431.99 471,-449.99 454,-449.99 454,-431.99 432,-431.99 432,-449.99 416,-449.99
  region net VDD_SOC_0V8: 1031,-895.99 1116,-895.99 1116,-855.99 1147,-855.99 1147,-799.99 1217,-799.99 1217,-820.4 1193,-820.4 1193,-912.99 1073,-912.99 1073,-905.99 1046,-905.99
  region net WIFI_VDDIO: 19,-765.99 19,-802.99 60,-802.99 60,-765.99
  region net MIC_VDD: -21,-312.99 -32,-312.99 -32,-357.99 -11,-357.99 -11,-285.99 -21,-285.99
  region net 1V2_CODEC: 45,-303.99 44,-302.99 44,-285.99 103,-285.99 103,-330.99 71,-330.99 71,-303.99 54,-303.99
  region net NetL2_1: 932,-882.99 932,-748.99 955,-748.99 955,-848.99 942,-848.99 942,-883.99
  region net NetL2_1: 923.08,-835.5 932.08,-835.5 932.08,-748.99 923.08,-748.99
  region net SDMMC2_1V8: 832,-1117.99 832,-1175.99 752,-1175.99 752,-1190.99 629,-1190.99 629,-1146.99 703,-1146.99 703,-1170.99 734,-1170.99 734,-1154.99 824,-1154.99 824,-1139.99
  region net 1V2_CODEC: 796,-1084.99 742,-1084.99 742,-1089.99 628,-1089.99 628,-1124.99 675,-1124.99 675,-1110.99 764,-1110.99 764,-1094.99 782,-1094.99
  region net SDMMC2_3V3: 656,-943.99 656,-885.99 675,-885.99 675,-900.99 675,-945.58
  region net SDMMC2_3V3: 798,-943.99 656,-943.99 656,-961.99 734,-961.99 734,-952.99 802,-952.99
  region net NetL3_1: 1065,-983.99 1065,-994.99 1105,-994.99 1105,-983.99 1103,-983.99
  region net NetL3_1: 1050,-973.99 1196,-973.99 1196,-985.99 1196,-1028.99 1103,-1028.99 1103,-983.99 1047,-983.99
  region net NetL6_1: 1081,-936.99 1081,-965.99 1194,-965.99 1194,-926.99 1022,-926.99 1022,-936.99 1053,-936.99
  region net NetL1_1: 886,-882.99 886,-819.99 851,-819.99 851,-747.99 895,-747.99 895,-882.99
  region net NetL5_1: 989,-1139.99 989,-1155.99 1001,-1155.99 1001,-1278.99 961,-1278.99 961,-1194.99 980,-1194.99 980,-1142.99
  region net ANT: -62,-748.99 -67,-732.99 -67,-723.99 -37,-723.99 -37,-732.99 -42,-748.99
GND_1:
  pour cut-out: -216.27,68.86 cw(c-201.27,68.86) -201.27,83.86 1345.73,83.86 cw(c1345.73,68.86) 1360.73,68.86 1360.73,-1278.14 cw(c1345.73,-1278.14) 1345.73,-1293.14 -201.27,-1293.14 cw(c-201.27,-1278.14) -216.27,-1278.14 -216.27,68.86 -202.45,68.86 cw(c-191.27,58.86) -191.27,73.86 1335.73,73.86 cw(c1335.73,58.86) 1350.73,58.86 1350.73,-1268.14 cw(c1335.73,-1268.14) 1335.73,-1283.14 -191.27,-1283.14 cw(c-191.27,-1268.14) -206.27,-1268.14 -206.27,58.86
  pour cut-out: -216.27,68.86 -202.45,68.86 ccw(c-202.45,65.04) -206.27,65.04 -206.27,58.86
  pour cut-out: -217,66.01 cw(c-202,66.01) -202,81.01 1345,81.01 cw(c1345,66.01) 1360,66.01 1360,-1280.99 cw(c1345,-1280.99) 1345,-1295.99 -202,-1295.99 cw(c-202,-1280.99) -217,-1280.99 -217,66.01 -203.18,66.01 cw(c-192,56.01) -192,71.01 1335,71.01 cw(c1335,56.01) 1350,56.01 1350,-1270.99 cw(c1335,-1270.99) 1335,-1285.99 -192,-1285.99 cw(c-192,-1270.99) -207,-1270.99 -207,56.01
  pour cut-out: -217,66.01 -203.18,66.01 ccw(c-203.18,62.19) -207,62.19 -207,56.01
HI_SPEED_SIG_1:
  pour cut-out: -217.25,65.97 -203.43,65.97 ccw(c-203.43,62.15) -207.25,62.15 -207.25,55.97
  pour cut-out: -217.25,65.97 cw(c-202.25,65.97) -202.25,80.97 1344.75,80.97 cw(c1344.75,65.97) 1359.75,65.97 1359.75,-1281.03 cw(c1344.75,-1281.03) 1344.75,-1296.03 -202.25,-1296.03 cw(c-202.25,-1281.03) -217.25,-1281.03 -217.25,65.97 -203.43,65.97 cw(c-192.25,55.97) -192.25,70.97 1334.75,70.97 cw(c1334.75,55.97) 1349.75,55.97 1349.75,-1271.03 cw(c1334.75,-1271.03) 1334.75,-1286.03 -192.25,-1286.03 cw(c-192.25,-1271.03) -207.25,-1271.03 -207.25,55.97
  region net SYS_3V3: 7,-120.99 19,-108.99 50,-108.99 54,-112.99 54,-153.99 44,-163.99 11,-163.99 7,-159.99
HI_SPEED_SIG_2:
  pour cut-out: -217.25,65.97 -203.43,65.97 ccw(c-203.43,62.15) -207.25,62.15 -207.25,55.97
  pour cut-out: -217.25,65.97 cw(c-202.25,65.97) -202.25,80.97 1344.75,80.97 cw(c1344.75,65.97) 1359.75,65.97 1359.75,-1281.03 cw(c1344.75,-1281.03) 1344.75,-1296.03 -202.25,-1296.03 cw(c-202.25,-1281.03) -217.25,-1281.03 -217.25,65.97 -203.43,65.97 cw(c-192.25,55.97) -192.25,70.97 1334.75,70.97 cw(c1334.75,55.97) 1349.75,55.97 1349.75,-1271.03 cw(c1334.75,-1271.03) 1334.75,-1286.03 -192.25,-1286.03 cw(c-192.25,-1271.03) -207.25,-1271.03 -207.25,55.97
GND_2:
  pour cut-out: -217.25,65.97 -203.43,65.97 ccw(c-203.43,62.15) -207.25,62.15 -207.25,55.97
  pour cut-out: -217.25,65.97 cw(c-202.25,65.97) -202.25,80.97 1344.75,80.97 cw(c1344.75,65.97) 1359.75,65.97 1359.75,-1281.03 cw(c1344.75,-1281.03) 1344.75,-1296.03 -202.25,-1296.03 cw(c-202.25,-1281.03) -217.25,-1281.03 -217.25,65.97 -203.43,65.97 cw(c-192.25,55.97) -192.25,70.97 1334.75,70.97 cw(c1334.75,55.97) 1349.75,55.97 1349.75,-1271.03 cw(c1334.75,-1271.03) 1334.75,-1286.03 -192.25,-1286.03 cw(c-192.25,-1271.03) -207.25,-1271.03 -207.25,55.97
PWR_1:
  pour cut-out: -217.25,65.97 -203.43,65.97 ccw(c-203.43,62.15) -207.25,62.15 -207.25,55.97
  pour cut-out: -217.25,65.97 cw(c-202.25,65.97) -202.25,80.97 1344.75,80.97 cw(c1344.75,65.97) 1359.75,65.97 1359.75,-1281.03 cw(c1344.75,-1281.03) 1344.75,-1296.03 -202.25,-1296.03 cw(c-202.25,-1281.03) -217.25,-1281.03 -217.25,65.97 -203.43,65.97 cw(c-192.25,55.97) -192.25,70.97 1334.75,70.97 cw(c1334.75,55.97) 1349.75,55.97 1349.75,-1271.03 cw(c1334.75,-1271.03) 1334.75,-1286.03 -192.25,-1286.03 cw(c-192.25,-1271.03) -207.25,-1271.03 -207.25,55.97
PWR_2:
  pour cut-out: -217.25,65.97 -203.43,65.97 ccw(c-203.43,62.15) -207.25,62.15 -207.25,55.97
  pour cut-out: -217.25,65.97 cw(c-202.25,65.97) -202.25,80.97 1344.75,80.97 cw(c1344.75,65.97) 1359.75,65.97 1359.75,-1281.03 cw(c1344.75,-1281.03) 1344.75,-1296.03 -202.25,-1296.03 cw(c-202.25,-1281.03) -217.25,-1281.03 -217.25,65.97 -203.43,65.97 cw(c-192.25,55.97) -192.25,70.97 1334.75,70.97 cw(c1334.75,55.97) 1349.75,55.97 1349.75,-1271.03 cw(c1334.75,-1271.03) 1334.75,-1286.03 -192.25,-1286.03 cw(c-192.25,-1271.03) -207.25,-1271.03 -207.25,55.97
GND_3:
  pour cut-out: -217.25,65.97 -203.43,65.97 ccw(c-203.43,62.15) -207.25,62.15 -207.25,55.97
  pour cut-out: -217.25,65.97 cw(c-202.25,65.97) -202.25,80.97 1344.75,80.97 cw(c1344.75,65.97) 1359.75,65.97 1359.75,-1281.03 cw(c1344.75,-1281.03) 1344.75,-1296.03 -202.25,-1296.03 cw(c-202.25,-1281.03) -217.25,-1281.03 -217.25,65.97 -203.43,65.97 cw(c-192.25,55.97) -192.25,70.97 1334.75,70.97 cw(c1334.75,55.97) 1349.75,55.97 1349.75,-1271.03 cw(c1334.75,-1271.03) 1334.75,-1286.03 -192.25,-1286.03 cw(c-192.25,-1271.03) -207.25,-1271.03 -207.25,55.97
SIG_2:
  pour cut-out: -217.25,65.97 -203.43,65.97 ccw(c-203.43,62.15) -207.25,62.15 -207.25,55.97
  pour cut-out: -217.25,65.97 cw(c-202.25,65.97) -202.25,80.97 1344.75,80.97 cw(c1344.75,65.97) 1359.75,65.97 1359.75,-1281.03 cw(c1344.75,-1281.03) 1344.75,-1296.03 -202.25,-1296.03 cw(c-202.25,-1281.03) -217.25,-1281.03 -217.25,65.97 -203.43,65.97 cw(c-192.25,55.97) -192.25,70.97 1334.75,70.97 cw(c1334.75,55.97) 1349.75,55.97 1349.75,-1271.03 cw(c1334.75,-1271.03) 1334.75,-1286.03 -192.25,-1286.03 cw(c-192.25,-1271.03) -207.25,-1271.03 -207.25,55.97
SIG_3:
  pour cut-out: -217.25,65.97 -203.43,65.97 ccw(c-203.43,62.15) -207.25,62.15 -207.25,55.97
  pour cut-out: -217.25,65.97 cw(c-202.25,65.97) -202.25,80.97 1344.75,80.97 cw(c1344.75,65.97) 1359.75,65.97 1359.75,-1281.03 cw(c1344.75,-1281.03) 1344.75,-1296.03 -202.25,-1296.03 cw(c-202.25,-1281.03) -217.25,-1281.03 -217.25,65.97 -203.43,65.97 cw(c-192.25,55.97) -192.25,70.97 1334.75,70.97 cw(c1334.75,55.97) 1349.75,55.97 1349.75,-1271.03 cw(c1334.75,-1271.03) 1334.75,-1286.03 -192.25,-1286.03 cw(c-192.25,-1271.03) -207.25,-1271.03 -207.25,55.97
  pour cut-out: -217.25,65.97 -203.43,65.97 ccw(c-203.43,62.15) -207.25,62.15 -207.25,55.97
  pour cut-out: -217.25,65.97 cw(c-202.25,65.97) -202.25,80.97 1344.75,80.97 cw(c1344.75,65.97) 1359.75,65.97 1359.75,-1281.03 cw(c1344.75,-1281.03) 1344.75,-1296.03 -202.25,-1296.03 cw(c-202.25,-1281.03) -217.25,-1281.03 -217.25,65.97 -203.43,65.97 cw(c-192.25,55.97) -192.25,70.97 1334.75,70.97 cw(c1334.75,55.97) 1349.75,55.97 1349.75,-1271.03 cw(c1334.75,-1271.03) 1334.75,-1286.03 -192.25,-1286.03 cw(c-192.25,-1271.03) -207.25,-1271.03 -207.25,55.97
GND:
  pour cut-out: -217.25,65.97 -203.43,65.97 ccw(c-203.43,62.15) -207.25,62.15 -207.25,55.97
  pour cut-out: -217.25,65.97 cw(c-202.25,65.97) -202.25,80.97 1344.75,80.97 cw(c1344.75,65.97) 1359.75,65.97 1359.75,-1281.03 cw(c1344.75,-1281.03) 1344.75,-1296.03 -202.25,-1296.03 cw(c-202.25,-1281.03) -217.25,-1281.03 -217.25,65.97 -203.43,65.97 cw(c-192.25,55.97) -192.25,70.97 1334.75,70.97 cw(c1334.75,55.97) 1349.75,55.97 1349.75,-1271.03 cw(c1334.75,-1271.03) 1334.75,-1286.03 -192.25,-1286.03 cw(c-192.25,-1271.03) -207.25,-1271.03 -207.25,55.97
SIG_4:
  pour cut-out: -217.25,65.97 cw(c-202.25,65.97) -202.25,80.97 1344.75,80.97 cw(c1344.75,65.97) 1359.75,65.97 1359.75,-1281.03 cw(c1344.75,-1281.03) 1344.75,-1296.03 -202.25,-1296.03 cw(c-202.25,-1281.03) -217.25,-1281.03 -217.25,65.97 -203.43,65.97 cw(c-192.25,55.97) -192.25,70.97 1334.75,70.97 cw(c1334.75,55.97) 1349.75,55.97 1349.75,-1271.03 cw(c1334.75,-1271.03) 1334.75,-1286.03 -192.25,-1286.03 cw(c-192.25,-1271.03) -207.25,-1271.03 -207.25,55.97
  pour cut-out: -217.25,65.97 -203.43,65.97 ccw(c-203.43,62.15) -207.25,62.15 -207.25,55.97
  region net VDDQDDR_1V1: 514,-472.99 529,-472.99 529,-511.99 550,-511.99 550,-530.99 514,-530.99
  region net VDDQDDR_1V1: 513,-391.99 513,-354.99 552,-354.99 552,-382.99 584,-382.99 584,-365.99 597,-365.99 597,-384.99 597,-421.99 561,-421.99 561,-391.99
  region net MPU_VIN: 1163,-1013.99 1110,-1013.99 1110,-902.99 1062,-902.99 1062,-854.99 1014,-854.99 1014,-923.99 1057,-923.99 1057,-1037.99 1218,-1037.99 1218,-1014.99
  region net MPU_VIN: 1012,-1185.99 935,-1185.99 935,-1017.99 1012,-1017.99 1012,-937.99 1082,-937.99 1082,-1037.99 964,-1037.99 964,-1177.99 1013,-1177.99
  region net SYS_1V8: 686,63.26 686,16.26 668,-1.74 668,-23.24 711,-23.24 711,63.26
  region net LIPO_IN_CHARGER: 818,-1207.99 866,-1207.99 866,-1188.99 911,-1188.99 911,-1249.99 861,-1249.99 861,-1258.99 818,-1258.99 818,-1251.99
  region net LIPO_IN_CHARGER: 982,-1157.99 1021,-1157.99 1021,-1137.99 1071,-1137.99 1071,-1198.99 1024,-1198.99 1024,-1167.99 981,-1167.99 981,-1163.99
  region net LIPO_IN: 772,-1181.99 752,-1181.99 752,-1270.99 710,-1270.99 710,-1154.99 772,-1154.99
  region net LIPO_IN: 772,-1154.99 772,-1181.99 860.05,-1181.99 860.05,-1154.99
  region net VDD_SOC_0V8: 314,-346.99 339,-346.99 339,-335.99 490,-335.99 490,-373.99 314,-373.99
  pour cut-out: 814.42,-1185.78 814.42,-1207.99 858,-1207.99 858,-1185.78
  region net MPU_VIN: 766,-1048.99 766,-1055.99 883,-1055.99 883,-1141.99 738,-1141.99 738,-1048.99 753,-1048.99
  region net MPU_VIN: 872,-1141.99 872,-1177.99 935,-1177.99 935,-1120.99 881,-1120.99 881,-1110.99 847,-1110.99 847,-1141.99
  region net MPU_VIN: 738,-939.99 707,-939.99 707,-902.99 810,-902.99 810,-868.99 858,-868.99 858,-907.99 843,-907.99 843,-959.99 738,-959.99 738,-958.99
  region net MPU_VIN: 910,-901.99 910,-952.99 951,-952.99 951,-901.99
  region net MPU_VIN: 951,-907.99 858,-907.99 858,-847.99 951,-847.99 951,-898.99
  region net MPU_VIN: 1057,-969.99 951,-969.99 951,-898.99 1057,-898.99
  region net VUSB: 1131,-1142.99 1114,-1142.99 1114,-1134.99 1081,-1134.99 1081,-1209.99 1112,-1209.99 1112,-1150.99 1153,-1150.99 1153,-1146.99
  region net USB_VIN: 763,62.01 763,16.01 776,3.01 826,3.01 838,15.01 838,62.01
  region net MPU_VIN: 730,-912.99 730,-1133.99 763,-1133.99 763,-912.99
  region net SYS_3V3: 718,31.01 718,63.01 744,63.01 744,14.01 763,-4.99 763,-22.99 718,-22.99 718,-0.99
  region net SYS_3V3: 420,-703.99 420,-691.99 470,-691.99 470,-729.99 453,-729.99 453,-727.99 426,-727.99 426,-719.99 396,-719.99 396,-703.99
  region net VDD_SOC_0V8: 418,-530.99 418,-493.99 437,-493.99 437,-473.99 451,-473.99 451,-493.99 476,-493.99 476,-473.99 491,-473.99 491,-493.99 510,-493.99 510,-527.99 510,-530.99
  region net VDD_SOC_0V8: 416,-414.99 436,-414.99 436,-398.99 451,-398.99 451,-414.99 475,-414.99 475,-397.99 491,-397.99 491,-413.99 510,-413.99 510,-450.99 496,-450.99 496,-431.99 471,-431.99 471,-449.99 455,-449.99 455,-429.99 416,-429.99

## Silkscreen, mask and mechanical layers (free items; w line width, h text height)
Top Overlay:
  circle w10: c375,55.01 r3.61
Bottom Overlay:
  text "59" at 906.64,44.45 h20 r90
  text "1" at 323.74,38.55 h20 r90
  text "2" at 329.65,-82.19 h20 r90
  text "60" at 841.75,-94.99 h20 r90
  text "Rev A" at 740,-563.99 h20 r270
  text "Lucas Webb" at 700.76,-565.93 h20 r270
  text "Gesturelink - Main SoM" at 778.53,-644.67 h20 r270
  text "E.C" at 501,-824.99 h20
  text "B.U" at 244,-833.99 h20
  text "E.D" at 722,-851.99 h20
  text "W.S" at -149,-916.99 h20
  text "B.S" at 244,-928.99 h20
  text "59" at 582,-1093.99 h20 r90
  text "1" at 92,-1115.99 h20 r90
Mechanical 1:
  lines w3: -217,-1280.99 ccw(c-202,-1280.99) -202,-1295.99 1345,-1295.99 ccw(c1345,-1280.99) 1360,-1280.99 1360,66.01 ccw(c1345,66.01) 1345,81.01 -202,81.01 ccw(c-202,66.01) -217,66.01 -217,-1280.99 ; -207,-1270.99 ccw(c-192,-1270.99) -192,-1285.99 1335,-1285.99 ccw(c1335,-1270.99) 1350,-1270.99 1350,56.01 ccw(c1335,56.01) 1335,71.01 -192,71.01 ccw(c-192,56.01) -207,56.01 -207,-1270.99
  text "BACK" at 1058,497.01 h60
  text "FRONT" at -207.51,468.81 h60
  text "<-" at 1235,434.45 h60 r180
  text "<-" at -202.51,368.81 h60
Top Assembly:
  rectangle: -207,-732.99 68.59,-469.21

## Dimensions
-212,137.01 to 1363,177.01 on Mechanical 1

## Text inside footprints (layer, text, board x,y; h text height)
K3: Mechanical 1 "1.54" at 897.63,-196.69 h60 r180
K7: Mechanical 13 "PCB EDGE" at 1340.36,-686.01 h32 r90